# Altium PCB module_base.PcbDoc (part 1 of 4) (continued)
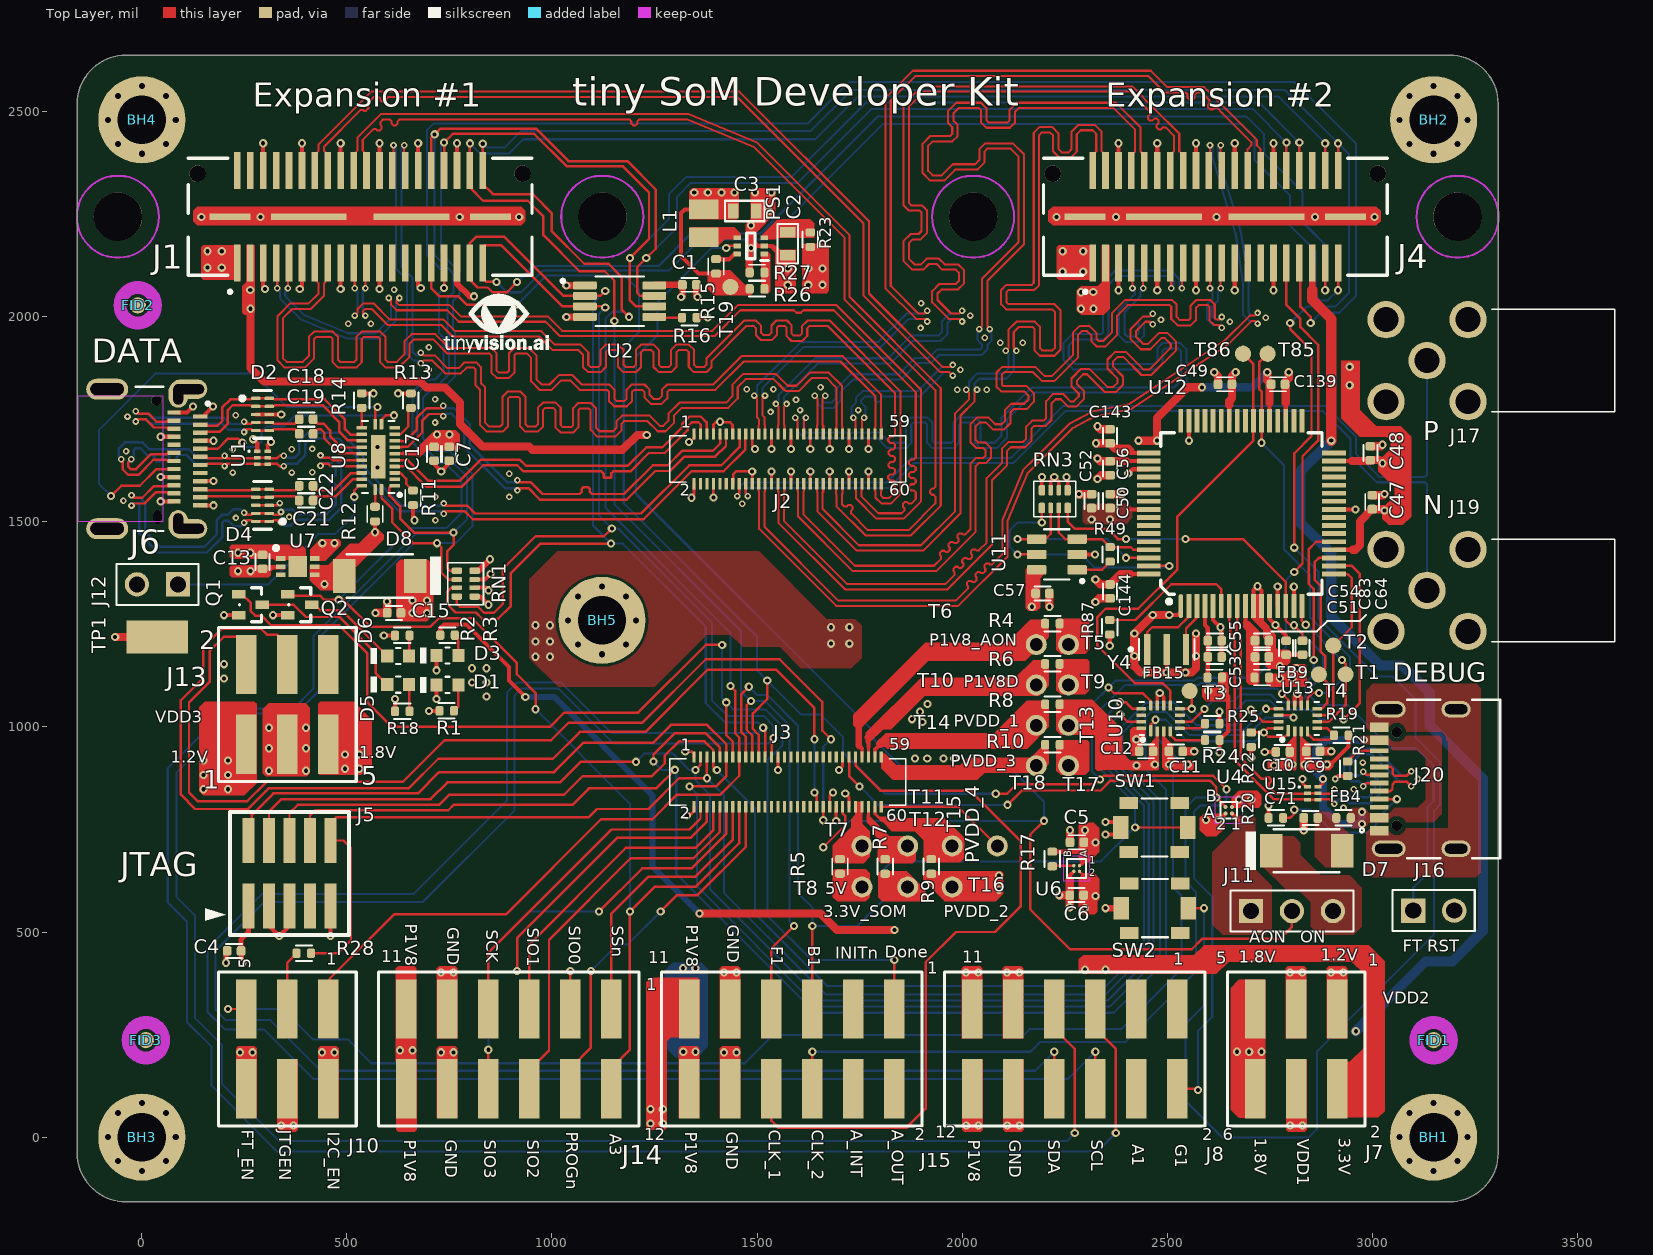
[diagram p0: Top Layer view]
## Components (designator, comment, footprint, x,y, rotation, side; value= is the part's Value field where it differs from the comment)
BH1 "STANDOFF M2.5" MH_3MM 3149.61,0 r0 top
BH2 "STANDOFF M2.5" MH_3MM 3149.61,2480.31 r0 top locked
BH3 "STANDOFF M2.5" MH_3MM 0,0 r0 top
BH4 "STANDOFF M2.5" MH_3MM 0,2480.31 r0 top locked
BH5 "STANDOFF M2.5" MH_3MM 1122.04,1259.84 r0 top locked
C1 "0.1uF" CAPC1005X55USR 1335,2078.11 r180 top
C2 "10uF" CAP_0603 1574.99,2178.1 r90 top
C3 "47uF" CAP_0603 1470,2258.11 r180 top
C4 "0.1uF" CAPC1005X55USR 225,454 r0 top
C5 "4.7uF" CAPC1005X55USR 2279.98,718.89 r0 top
C6 "4.7uF" CAPC1005X55USR 2279.33,589.84 r0 top
C7 "4.7uF" CAPC1005X55USR 749.39,1666.21 r90 top
C9 "0.1uF" CAPC1005X55USR 2855.81,940.63 r180 top
C10 "0.1uF" CAPC1005X55USR 2782,939.11 r0 top
C11 "0.1uF" CAPC1005X55USR 2520.81,940.63 r180 top
C12 "0.1uF" CAPC1005X55USR 2448.88,940.63 r0 top
C13 "1uF" CAPC1005X55USR 294.29,1402.73 r90 top
C15 "1uF" CAPC1005X55USR 615,1278.11 r0 top
C17 "0.1uF" CAPC1005X55USR 712.39,1666.21 r90 top
C18 "0.1uF" CAPC1005X55USR 400.6,1750.27 r180 top
C19 "0.1uF" CAPC1005X55USR 400.6,1714.73 r180 top
C21 "0.1uF" CAPC1005X55USR 400.6,1552.18 r180 top
C22 "0.1uF" CAPC1005X55USR 400.6,1587.72 r180 top
C47 "0.1uF" CAPC1005X55USR 2999.99,1548.12 r270 top
C48 "0.1uF" CAPC1005X55USR 2995.41,1667.57 r270 top
C49 "0.1uF" CAPC1005X55USR 2640.92,1835.63 r0 top
C50 "0.1uF" CAPC1005X55USR 2360.92,1550.63 r270 top
C51 "4.7uF" CAPC1005X55USR 2730.92,1170.63 r180 top
C52 "0.1uF" CAPC1005X55USR 2315.92,1550.63 r270 top
C53 "4.7uF" CAPC1005X55USR 2615.92,1170.63 r180 top
C54 "0.1uF" CAPC1005X55USR 2730.92,1210.63 r180 top
C55 "0.1uF" CAPC1005X55USR 2615.92,1210.63 r180 top
C56 "0.1uF" CAPC1005X55USR 2360.92,1630.63 r90 top
C57 "0.1uF" CAPC1005X55USR 2195.92,1325.63 r180 top
C64 "0.1uF" CAPC1005X55USR 2830,1193.11 r90 top
C71 "1uF" CAPC1005X55USR 2849.99,778.11 r0 top
C83 "0.1uF" CAPC1005X55USR 2790,1193.11 r90 top
C139 "0.1uF" CAPC1005X55USR 2770.3,1835.63 r180 top
C143 "0.1uF" CAPC1005X55USR 2360.92,1708.7 r270 top
C144 "4.7uF" CAPC1005X55USR 2360.92,1330.63 r90 top
D1 "LTST-C191KGKT" LED_0603 745.29,1102.73 r0 top
D2 "PUSB3F96X" DFN2510A-10 294.29,1762.03 r0 top
D3 "LTST-C191KGKT" LED_0603 745.29,1173.89 r0 top
D4 "PUSB3F96X" DFN2510A-10 294.29,1540.42 r180 top
D5 "LTST-C191KGKT" LED_0603 625,1103.11 r0 top
D6 "LTST-C191KGKT" LED_0603 625,1173.11 r0 top
D7 "CMS06(TE12L,Q,M)" SOD-128 2840,698.11 r0 top
D8 "CMS06(TE12L,Q,M)" SOD-128 580,1368.11 r180 top
FB4 "120Ohms" 0402_FB 2930,778.11 r180 top
FB9 "120Ohms" 0402_FB 2730.93,1120.63 r0 top
FB15 "120Ohms" 0402_FB 2615.93,1120.63 r0 top
FID1 "" FID_040 3149.6,236.22 r0 top
FID2 "" FID_040 -10,2028.11 r90 top
FID3 "" FID_040 10,236.22 r90 top
J1 "QSE-020-01-F-D-A-K" SAMTEC_QSE-020-01-XXX-D-A-L 532.08,2244.1 r0 top locked
J2 "DF40C-60DS-0.4V(51)" DF40C60DS04V51 1574.8,1653.54 r0 top locked
J3 "DF40C-60DS-0.4V(51)" DF40C60DS04V51 1574.8,866.14 r0 top locked
J4 "QSE-020-01-F-D-A-K" SAMTEC_QSE-020-01-XXX-D-A-L 2617.52,2244.1 r0 top locked
J5 "FTSH-105-01-L-DV-K-TR" FTSH-105-01-XXX-DV-K 360,643.11 r0 top
J6 "CX90B1-24P" HRS_CX90B1-24P -84.55,1653.54 r270 top
J7 "Header 3X2_SMD" HDR3X2_MALE_2.54MM_SAMTEC-A-TSM-103 2814.8,214.84 r180 top
J8 "Header 6X2_SMD" HDR6X2_MALE_2.54MM_SAMTEC-A-TSM-106 2274.8,214.84 r180 top
J10 "Header 3X2_SMD" HDR3X2_MALE_2.54MM_SAMTEC-A-TSM-103 354.8,214.84 r180 top
J11 "Header 3X1_2.54MM" HDR3X1_MALE_2.54MM 2804.33,551.18 r0 top
J12 "Header 2X1_2.54MM" HDR2X1_MALE_2.54MM 38.09,1347.73 r180 top
J13 "Header 3X2_SMD" HDR3X2_MALE_2.54MM_SAMTEC-A-TSM-103 354.8,1054.84 r0 top
J14 "Header 6X2_SMD" HDR6X2_MALE_2.54MM_SAMTEC-A-TSM-106 894.8,214.84 r180 top
J15 "Header 6X2_SMD" HDR6X2_MALE_2.54MM_SAMTEC-A-TSM-106 1584.8,214.84 r180 top
J16 "Header 2X1_2.54MM" HDR2X1_MALE_2.54MM 3150,552.23 r0 top
J17 "731000114" 0731000114 3133.66,1893.11 r180 top
J19 "731000114" 0731000114 3133.66,1333.11 r180 top
J20 "USB4105-GF-A" USB4105_GCT 3154.77,873.11 r90 top
L1 "1uH" INDC2016X100N 1369.99,2228.11 r90 top
Logo1 "WEEE" WEEE_Minimum 999.8,1044.84 r180 bottom
Logo2 "ESD Susceptible" ESD_Overlay_Medium 1228.79,1019.84 r180 bottom
PS1 "AP61100QZ6-7" SOTFL50P160X60-6N 1485,2173.11 r180 top
PVDD_4 "TP_S" TP_TH 2085.83,709.84 r90 top
Q1 "RU1J002YNTCL" SOT-323FL 265,1298.11 r0 top
Q2 "RU1J002YNTCL" SOT-323FL 385,1298.11 r0 top
R1 "1K" RESC1005X40USR 743.32,1039.22 r0 top
R2 "1K" RESC1005X40USR 635,1223.11 r0 top
R3 "1K" RESC1005X40USR 745.28,1223.89 r0 top
R4 "0.1" RESC1005X40USR 2220.22,1252.04 r0 top
R5 "0.1" RESC1005X40USR 1702.32,659.84 r90 top
R6 "0.1" RESC1005X40USR 2220.22,1153.63 r0 top
R7 "0.1" RESC1005X40USR 1812.28,659.84 r90 top
R8 "0.1" RESC1005X40USR 2220.22,1055.21 r0 top
R9 "0.1" RESC1005X40USR 1924.8,659.84 r90 top
R10 "0.1" RESC1005X40USR 2220.22,956.78 r0 top
R11 "10K" RESC1005X40USR 661.16,1558.44 r90 top
R12 "910K" RESC1005X40USR 568.55,1519.16 r270 top
R13 "10K" RESC1005X40USR 656.16,1795.77 r270 top
R14 "10K" RESC1005X40USR 536.27,1795.78 r90 top
R15 "0" RESC1005X40USR 1400,2123.11 r90 top
R16 "1K" RESC1005X40USR 1334.99,1998.11 r180 top
R17 "1K" RESC1005X40USR 2220,678.11 r270 top
R18 "1K" RESC1005X40USR 635,1038.11 r0 top
R19 "4.7K" RESC1005X40USR 2924.8,979.84 r0 top
R20 "4.7K" RESC1005X40USR 2765.01,778.11 r0 top
R21 "4.7K" RESC1005X40USR 2940,898.12 r90 top
R22 "10K" RESC1005X40USR 2705,969.11 r270 top
R23 "0.1" RESC1005X40USR 1629.99,2188.11 r270 top
R24 "4.7K" RESC1005X40USR 2610,968.11 r0 top
R25 "4.7K" RESC1005X40USR 2610,1008.11 r0 top
R26 "200K" RESC1005X40USR 1499.99,2068.11 r180 top
R27 "44.2K" RESC1005X40USR 1499.99,2108.1 r0 top
R28 "1K" RESC1005X40USR 395,448.11 r180 top
R49 "2K" RESC1005X40USR 2360.92,1420.64 r270 top
R87 "12.1K" RESC1005X40USR 2360,1243.13 r90 top
RN1 "10K" RESCAXS50P100X200X45-8NA 789.62,1349.46 r180 top
RN3 "10K" RESCAXS50P100X200X45-8NA 2225.92,1555.63 r90 top
SW1 "PTS820 J25K SMTR LFS" PTS820J25MSMTRLFS 2468.88,754.84 r180 top
SW2 "PTS820 J25K SMTR LFS" PTS820J25MSMTRLFS 2470.01,558.11 r180 top
T1 "TP_S" "TP 1mm" 2935,1128.11 r90 top
T2 "TP_S" "TP 1mm" 2905,1198.11 r90 top
T3 "TP_S" "TP 1mm" 2555,1088.11 r90 top
T4 "TP_S" "TP 1mm" 2870,1128.11 r90 top
T5 "TP_S" TP_TH 2259.59,1200.86 r0 top
T6 "TP_S" TP_TH 2180.85,1200.86 r0 top
T7 "TP_S" TP_TH 1755.9,709.84 r0 top
T8 "TP_S" TP_TH 1755.9,609.84 r0 top
T9 "TP_S" TP_TH 2259.59,1102.45 r0 top
T10 "TP_S" TP_TH 2180.85,1102.45 r90 top
T11 "TP_S" TP_TH 1867.32,709.84 r90 top
T12 "TP_S" TP_TH 1867.32,609.84 r90 top
T13 "TP_S" TP_TH 2259.59,1004.02 r90 top
T14 "TP_S" TP_TH 2180.85,1004.02 r90 top
T15 "TP_S" TP_TH 1975.83,709.84 r90 top
T16 "TP_S" TP_TH 1975.83,609.84 r90 top
T17 "TP_S" TP_TH 2259.59,905.6 r90 top
T18 "TP_S" TP_TH 2180.85,905.6 r90 top
T19 "3V3" "TP 1mm" 1434.99,2073.11 r270 top
T85 "TP_S" "TP 1mm" 2745,1910 r180 top
T86 "TP_S" "TP 1mm" 2685,1910 r180 top
TP1 "5019" TP380X203 38.09,1219.08 r0 top
U1 "ESDR0502NMUTAG" ONSC-UDFN-6-517AA-01_V 294.3,1656.5 r0 top
U2 "TCA9509DGKR" SOP65P490X110-8N 1165,2038.11 r0 top
U4 "TCK106AG,LF" WCSP4D 2650.22,796.96 r180 top
U6 "NCP110AFCT120T2G" WLCSP4_P6XP6_ONS 2279.33,654.84 r270 top
U7 "NCP349MNAETBG" SON50P200X160X100-7N-D 380.29,1390.73 r0 top
U8 "PI5USB30213XEAEX" QFN40P400X200X50-25N 576.43,1658.66 r180 top
U10 "SN74AXC4T245RSVR" QFN40P260X180X55-16N 2483.88,1020.63 r90 top
U11 "93AA56BT-I/OT" SOT23-6 2230.93,1420.63 r180 top
U12 "FT2232HL-REEL" QFP50P1200X1200X160-64N 2680.93,1520.63 r90 top
U13 "SN74AXC4T245RSVR" QFN40P260X180X55-16N 2818.88,1020.63 r90 top
U15 "ESDR0502NMUTAG" ONSC-UDFN-6-517AA-01_V 2855,838.11 r0 top
Y4 "CSTNE12M0G550000R0" OSC_CSTNE12M0G550000R0 2498.73,1189.04 r0 top

## Footprints (in the part's own frame and the unit in brackets; to place one, negate y for a bottom-side part, rotate by r counter-clockwise, add the part's x,y. Pads: shape width x height; smd on the part's side, far side on the other; paste and mask are expansions set on the pad)
0402_FB [mm] "Resistor, Chip; 1.00 mm L X 0.50 mm W X 0.40 mm H body"
  rrect52% 0.5x0.6 smd mask+0.051: 1(-0.45,0) 2(0.45,0)
  silkscreen extent -0.5,-0.48 0.5,0.48, body extent -0.5,-0.25 0.5,0.25, height 0.43
0731000114 [mm]
  round 2.31 hole 1.54: 1(0,0) 2(2.54,2.54) 3(-2.54,2.54) 4(-2.54,-2.54) 5(2.54,-2.54)
  silkscreen extent -11.63,-3.18 -4,3.17, body extent -11.63,-3.18 3.18,3.18, height 9.67
CAP_0603 [mil]
  rect 26x37 smd mask+1.97: 1(-28,0) 2(28,0)
  silkscreen extent -48,-25 48,25, body extent -34,-19 34,19, height 35
CAPC1005X55USR [mm] "Capacitor, Chip; 1.00 mm L X 0.50 mm W X 0.55 mm H body"
  rrect52% 0.54x0.6 smd mask+0.051: 1(-0.43,0) 2(0.43,0)
  silkscreen extent -0.51,-0.43 0.49,0.43, body extent -0.5,-0.25 0.5,0.25, height 0.55
DF40C60DS04V51 [mm]
  rect 0.2x0.7 smd mask+0.051: 1(-5.8,1.54) 2(-5.8,-1.54) 3(-5.4,1.54) 4(-5.4,-1.54) 5(-5,1.54) 6(-5,-1.54) 7(-4.6,1.54) 8(-4.6,-1.54) 9(-4.2,1.54) 10(-4.2,-1.54) 11(-3.8,1.54) 12(-3.8,-1.54) 13(-3.4,1.54) 14(-3.4,-1.54) 15(-3,1.54) 16(-3,-1.54) 17(-2.6,1.54) 18(-2.6,-1.54) 19(-2.2,1.54) 20(-2.2,-1.54) 21(-1.8,1.54) 22(-1.8,-1.54) 23(-1.4,1.54) 24(-1.4,-1.54) 25(-1,1.54) 26(-1,-1.54) 27(-0.6,1.54) 28(-0.6,-1.54) 29(-0.2,1.54) 30(-0.2,-1.54) 31(0.2,1.54) 32(0.2,-1.54) 33(0.6,1.54) 34(0.6,-1.54) 35(1,1.54) 36(1,-1.54) 37(1.4,1.54) 38(1.4,-1.54) 39(1.8,1.54) 40(1.8,-1.54) 41(2.2,1.54) 42(2.2,-1.54) 43(2.6,1.54) 44(2.6,-1.54) 45(3,1.54) 46(3,-1.54) 47(3.4,1.54) 48(3.4,-1.54) 49(3.8,1.54) 50(3.8,-1.54) 51(4.2,1.54) 52(4.2,-1.54) 53(4.6,1.54) 54(4.6,-1.54) 55(5,1.54) 56(5,-1.54) 57(5.4,1.54) 58(5.4,-1.54) 59(5.8,1.54) 60(5.8,-1.54)
  silkscreen extent -7.3,-1.44 7.3,1.44, body extent -7.3,-1.69 7.3,1.69, height 1.96
DFN2510A-10 [mm]
  rrect50% 0.565x0.2 smd mask+0.05: 1(-0.417,1) 2(-0.417,0.5) 4(-0.417,-0.5) 5(-0.417,-1) 6(0.417,-1) 7(0.417,-0.5) 9(0.417,0.5) 10(0.417,1)
  rrect25% 0.565x0.2 smd mask+0.05: 3(-0.417,0) 8(0.417,0)
  silkscreen extent -1.37,-1.48 0.55,1.48, body extent -0.5,-1.25 0.5,1.25, height 0.55
ESD_Overlay_Medium [mil]
  silkscreen extent -127,-109 125,110
FID_040 [mm]
  round 1 smd paste-1.5 mask+1: 1(0,0)
  Top Layer keep-out circle w0.8: c0,0 r1.1
FTSH-105-01-XXX-DV-K [mil]
  rect 29x110 smd mask+2: 1(-100,-80) 2(-100,80) 3(-50,-80) 4(-50,80) 5(0,-80) 6(0,80) 7(50,-80) 8(50,80) 9(100,-80) 10(100,80)
  silkscreen extent -205,-150 145,150, body extent -125,-115 125,115, height 241
HDR2X1_MALE_2.54MM [mm]
  rect 1.508x1.508 hole 1: 1(-1.27,0)
  round 1.508 hole 1: 2(1.27,0)
  silkscreen extent -2.54,-1.27 2.54,1.27, body extent -2.54,-1.37 2.54,1.17, height 8.38
HDR3X1_MALE_2.54MM [mm]
  rect 1.508x1.508 hole 1: 1(-2.54,0)
  round 1.508 hole 1: 2(0,0) 3(2.54,0)
  silkscreen extent -3.81,-1.27 3.81,1.27, body extent -3.81,-1.27 3.81,1.27, height 7.62
HDR3X2_MALE_2.54MM_SAMTEC-A-TSM-103 [mil]
  rect 50x144.88 smd: 1(-100,-97.48) 2(-100,97.48) 3(0,-97.48) 4(0,97.48) 5(100,-97.48) 6(100,97.48)
  silkscreen extent -168,-188 168,188, body extent -150,-152 150,152, height 390
HDR6X2_MALE_2.54MM_SAMTEC-A-TSM-106 [mil]
  rect 50x144.88 smd: 1(-250,-97.48) 2(-250,97.48) 3(-150,-97.48) 4(-150,97.48) 5(-50,-97.48) 6(-50,97.48) 7(50,-97.48) 8(50,97.48) 9(150,-97.48) 10(150,97.48) 11(250,-97.48) 12(250,97.48)
  silkscreen extent -318,-188 318,188, body extent -300,-152 300,152, height 382
HRS_CX90B1-24P [mm]
  rect 0.27x0.9 smd mask+0.05: A1(-2.625,5.75) A2(-2.125,5.75) A3(-1.625,5.75) A4(-1.125,5.75) A5(-0.625,5.75) A6(-0.125,5.75) A7(0.375,5.75) A8(0.875,5.75) A9(1.375,5.75) A10(1.875,5.75) A11(2.375,5.75) A12(2.875,5.75)
  rect 0.27x0.8 smd mask+0.05: B1(2.625,4.15) B2(2.125,4.15) B3(1.625,4.15) B4(1.125,4.15) B5(0.625,4.15) B6(0.125,4.15) B7(-0.375,4.15) B8(-0.875,4.15) B9(-1.375,4.15) B10(-1.875,4.15) B11(-2.375,4.15) B12(-2.875,4.15)
  oval 1.2x2.3 hole 0.6 slot 1.9 at 90 deg mask+0: Shell(-4.32,5.05) Shell(4.32,5.05)
  oval 1.3x2.6 hole 0.75 slot 2.075 at 90 deg: Shell(-4.32,0) Shell(4.32,0)
  oval 1.65x1.2 hole 0.6 slot 1.25 at 0 deg mask+0: Shell(-3.995,4.4) Shell(3.995,4.4)
  round 0.63 hole 0.63 unplated: ""(-3.6,3.05)
  oval 0.85x0.5 hole 0.5 slot 0.85 at 0 deg unplated: ""(3.6,3.115)
  Top Layer keep-out region: 3.9,-1.8 -3.9,-1.8 -3.9,3.45 3.9,3.45
  silkscreen extent -4.47,1.75 4.47,6.33, body extent -4.47,-2.3 4.47,5.85, height 3.14
INDC2016X100N [mm]
  rect 1.2x1.82 smd: 1(-0.86,0) 2(0.86,0)
  body extent -1,-0.8 1,0.8, height 1
LED_0603 [mm]
  rect 0.75x0.8 smd: 1(0.675,0) 2(-0.675,0)
  silkscreen extent -1.7,-0.5 0.13,0.5, body extent -0.81,-0.4 0.81,0.4, height 0.63
MH_3MM [mm]
  round 5.4 hole 3: 1(0,0)
ONSC-UDFN-6-517AA-01_V [mm]
  rect 0.42x0.22 smd mask+0.051: 1(-0.325,0.4) 2(-0.325,0) 3(-0.325,-0.4) 4(0.325,-0.4) 5(0.325,0) 6(0.325,0.4)
  silkscreen extent -0.88,0.35 -0.78,0.45, body extent -0.5,-0.6 0.5,0.6, height 0.55
OSC_CSTNE12M0G550000R0 [mm]
  rect 0.4x1.9 smd: 1(-1.2,0) 2(0,0) 3(1.2,0)
  silkscreen extent -2.32,-0.65 1.72,0.65, body extent -1.6,-0.65 1.6,0.65, height 0.8
PTS820J25MSMTRLFS [mm]
  rect 0.95x1.4 smd: 1(-2.075,0) 2(2.075,0)
  rect 1.15x0.75 smd: G1(-1.575,-1.525) G2(1.575,-1.525) G3(1.575,1.525) G4(-1.575,1.525)
  silkscreen extent -0.8,-1.8 0.8,1.8, body extent -2.25,-1.45 2.25,1.45, height 2.05
QFN40P260X180X55-16N [mm]
  rrect25% 0.7x0.2 smd mask+0.051: 1(-0.75,0.6)
  rrect25% 0.6x0.2 smd mask+0.051: 2(-0.8,0.2) 3(-0.8,-0.2) 4(-0.8,-0.6) 9(0.8,-0.6) 10(0.8,-0.2) 11(0.8,0.2) 12(0.8,0.6)
  rrect25% 0.2x0.6 smd mask+0.051: 5(-0.6,-1.2) 6(-0.2,-1.2) 7(0.2,-1.2) 8(0.6,-1.2) 13(0.6,1.2) 14(0.2,1.2) 15(-0.2,1.2) 16(-0.6,1.2)
  silkscreen extent -1.42,-1.3 1.03,1.3, body extent -0.9,-1.3 0.9,1.3, height 0.55
QFN40P400X200X50-25N [mm]
  rrect25% 0.66x0.22 smd mask+0.051: 1(-1.02,1.8) 2(-1.02,1.4) 3(-1.02,1) 4(-1.02,0.6) 5(-1.02,0.2) 6(-1.02,-0.2) 7(-1.02,-0.6) 8(-1.02,-1) 9(-1.02,-1.4) 10(-1.02,-1.8) 13(1.02,-1.8) 14(1.02,-1.4) 15(1.02,-1) 16(1.02,-0.6) 17(1.02,-0.2) 18(1.02,0.2) 19(1.02,0.6) 20(1.02,1) 21(1.02,1.4) 22(1.02,1.8)
  rrect25% 0.22x0.66 smd mask+0.051: 11(-0.2,-2.02) 12(0.2,-2.02) 23(0.2,2.02) 24(-0.2,2.02)
  rect 0.9x2.7 smd paste-2 mask+0.051: 25(0,0)
  silkscreen extent -1.43,-2.23 1,2.46, body extent -1,-2 1,2, height 0.5
QFP50P1200X1200X160-64N [mm]
  oval 1.475x0.3 smd: 1(-5.738,3.75)
  rect 1.475x0.3 smd: 2(-5.738,3.25) 3(-5.738,2.75) 4(-5.738,2.25) 5(-5.738,1.75) 6(-5.738,1.25) 7(-5.738,0.75) 8(-5.738,0.25) 9(-5.738,-0.25) 10(-5.738,-0.75) 11(-5.738,-1.25) 12(-5.738,-1.75) 13(-5.738,-2.25) 14(-5.738,-2.75) 15(-5.738,-3.25) 16(-5.738,-3.75) 33(5.738,-3.75) 34(5.738,-3.25) 35(5.738,-2.75) 36(5.738,-2.25) 37(5.738,-1.75) 38(5.738,-1.25) 39(5.738,-0.75) 40(5.738,-0.25) 41(5.738,0.25) 42(5.738,0.75) 43(5.738,1.25) 44(5.738,1.75) 45(5.738,2.25) 46(5.738,2.75) 47(5.738,3.25) 48(5.738,3.75)
  rect 0.3x1.475 smd: 17(-3.75,-5.738) 18(-3.25,-5.738) 19(-2.75,-5.738) 20(-2.25,-5.738) 21(-1.75,-5.738) 22(-1.25,-5.738) 23(-0.75,-5.738) 24(-0.25,-5.738) 25(0.25,-5.738) 26(0.75,-5.738) 27(1.25,-5.738) 28(1.75,-5.738) 29(2.25,-5.738) 30(2.75,-5.738) 31(3.25,-5.738) 32(3.75,-5.738) 49(3.75,5.738) 50(3.25,5.738) 51(2.75,5.738) 52(2.25,5.738) 53(1.75,5.738) 54(1.25,5.738) 55(0.75,5.738) 56(0.25,5.738) 57(-0.25,5.738) 58(-0.75,5.738) 59(-1.25,5.738) 60(-1.75,5.738) 61(-2.25,5.738) 62(-2.75,5.738) 63(-3.25,5.738) 64(-3.75,5.738)
  silkscreen extent -5.59,-5 5,5, body extent -6,-6 6,6, height 1.6
RESC1005X40USR [mm] "Resistor, Chip; 1.00 mm L X 0.50 mm W X 0.40 mm H body"
  rrect52% 0.5x0.6 smd mask+0.051: 1(-0.45,0) 2(0.45,0)
  silkscreen extent -0.5,-0.48 0.5,0.48, body extent -0.5,-0.25 0.5,0.25, height 0.4
RESCAXS50P100X200X45-8NA [mm] "2 Side, Convex"
  rrect50% 0.65x0.4 smd mask+0.051: 1(-0.55,0.8) 4(-0.55,-0.8) 5(0.55,-0.8) 8(0.55,0.8)
  rrect50% 0.65x0.3 smd mask+0.051: 2(-0.55,0.25) 3(-0.55,-0.25) 6(0.55,-0.25) 7(0.55,0.25)
  silkscreen extent -1.1,-1.3 1.1,1.3, body extent -0.65,-1.15 0.65,1.15, height 0.45
SAMTEC_QSE-020-01-XXX-D-A-L [mm]
  rect 0.41x2.27 smd: 01(-7.6,-2.865) 02(-7.6,2.865) 03(-6.8,-2.865) 04(-6.8,2.865) 05(-6,-2.865) 06(-6,2.865) 07(-5.2,-2.865) 08(-5.2,2.865) 09(-4.4,-2.865) 10(-4.4,2.865) 11(-3.6,-2.865) 12(-3.6,2.865) 13(-2.8,-2.865) 14(-2.8,2.865) 15(-2,-2.865) 16(-2,2.865) 17(-1.2,-2.865) 18(-1.2,2.865) 19(-0.4,-2.865) 20(-0.4,2.865) 21(0.4,-2.865) 22(0.4,2.865) 23(1.2,-2.865) 24(1.2,2.865) 25(2,-2.865) 26(2,2.865) 27(2.8,-2.865) 28(2.8,2.865) 29(3.6,-2.865) 30(3.6,2.865) 31(4.4,-2.865) 32(4.4,2.865) 33(5.2,-2.865) 34(5.2,2.865) 35(6,-2.865) 36(6,2.865) 37(6.8,-2.865) 38(6.8,2.865) 39(7.6,-2.865) 40(7.6,2.865)
  rect 2.54x0.43 smd: G1(-8.065,0) G4(8.065,0)
  rect 4.7x0.43 smd: G2(-3.175,0) G3(3.175,0)
  round 3 hole 3 unplated mask+0.05: ""(-15,0) ""(15,0)
  round 1.02 hole 1.02 unplated: ""(-10.065,2.665) ""(10.065,2.665)
  Keep-Out Layer circle w0.127: c-15,0 r2.54
  Keep-Out Layer circle w0.127: c15,0 r2.54
  silkscreen extent -10.64,-4.75 10.64,3.62, body extent -10.64,-4.12 10.64,4.13, height 3.43
SOD-128 [mm]
  rect 1.4x2.1 smd paste+0 mask+0: A(2.2,0) C(-2.2,0)
  silkscreen extent -3.79,-1.33 2.03,1.33, body extent -2.45,-1.21 2.45,1.21, height 1.1
SON50P200X160X100-7N-D [mm]
  rect 0.6x0.3 smd mask+0.051: 1(-1.05,0.5) 2(-1.05,0) 3(-1.05,-0.5) 4(1.05,-0.5) 5(1.05,0) 6(1.05,0.5)
  rect 1.15x1.3 smd mask+0.051: 7(0,0)
  silkscreen extent -1.47,1.03 -1.22,1.27, body extent -1.05,-0.8 1.05,0.8, height 1
SOP65P490X110-8N [mm]
  rrect25% 1.47x0.48 smd mask+0.051: 1(-2.15,0.975) 2(-2.15,0.325) 3(-2.15,-0.325) 4(-2.15,-0.975) 5(2.15,-0.975) 6(2.15,-0.325) 7(2.15,0.325) 8(2.15,0.975)
  silkscreen extent -3.62,-1.54 1.5,1.54, body extent -2.45,-1.5 2.45,1.5, height 1.1
SOT23-6 [mm]
  rrect25% 1.21x0.58 smd: 1(-1.255,0.95) 2(-1.255,0) 3(-1.255,-0.95) 4(1.255,-0.95) 5(1.255,0) 6(1.255,0.95)
  silkscreen extent -1.67,-1.56 0.8,1.75, body extent -1.4,-1.45 1.4,1.45, height 1.45
SOT-323FL [mm]
  rect 0.83x0.52 smd paste+0 mask+0.05: 1(-0.735,0.65) 2(-0.735,-0.65) 3(0.735,0)
  silkscreen extent -0.67,-1.05 0.67,1.05, body extent -1.05,-1 1.05,1, height 1.06
SOTFL50P160X60-6N [mm]
  rect 0.475x0.3 smd: 1(-0.838,0.5) 2(-0.838,0) 3(-0.838,-0.5) 4(0.838,-0.5) 5(0.838,0) 6(0.838,0.5)
  silkscreen extent -1.07,-0.8 0.25,0.9, body extent -0.8,-0.8 0.8,0.8, height 0.6
TP380X203 [mil]
  rect 150x80 smd: 1(0,0)
  body extent -75,-40 75,40, height 90
"TP 1mm" [mm] "1 mm Probe Pad"
  round 1 smd: 1(0,0)
TP_TH [mm] "1 mm Probe Pad"
  round 1.3 hole 0.8: 1(0,0)
USB4105_GCT [mil]
  oval 39.37x82.68 hole 23.62 slot 66.93 at 90 deg mask+2: 1(-170.08,114.6) 2(170.08,114.6)
  oval 39.37x70.87 hole 23.62 slot 55.12 at 90 deg mask+2: 3(-170.08,-49.97) 4(170.08,-49.97)
  round 26 hole 26 unplated mask+2: 17(-113.78,94.91) 18(113.78,94.91)
  rect 23x45 smd mask+2: A1-B12(-125.98,137.24) A4-B9(-94.49,137.24) B1-A12(125.98,137.24) B4-A9(94.49,137.24)
  rect 12x45 smd paste+0 mask+0: A5(-49.21,137.24) A6(-9.84,137.24) A7(9.84,137.24) A8(49.21,137.24) B5(68.9,137.24) B6(29.53,137.24) B7(-29.53,137.24) B8(-68.9,137.24)
  Multi-Layer lines w24: -170.08,136.1 -170.08,114.6 -170.08,93.1 ; 170.08,136.1 170.08,114.6 170.08,93.1 ; -170.08,-34.47 -170.08,-49.97 -170.08,-65.47 ; 170.08,-34.47 170.08,-49.97 170.08,-65.47
  silkscreen extent -194,-157 194,185, body extent -189,-152 189,152, height 130
WCSP4D [mil]
  round 10 smd paste+0 mask+0: A1(-7.87,7.87) A2(7.87,7.87) B1(-7.87,-7.87) B2(7.87,-7.87)
  Keep-Out Layer region: -33.25,-33.25 -33.25,33.25 33.25,33.25 33.25,-33.25
  silkscreen extent -20,-20 20,20, body extent -16,-16 16,16, height 22
WEEE_Minimum [mil]
  silkscreen extent -95,-172 99,104
WLCSP4_P6XP6_ONS [mil]
  round 8 smd paste+0 mask+0: A1(-6.89,6.89) A2(6.89,6.89) B1(-6.89,-6.89) B2(6.89,-6.89)
  Keep-Out Layer region: -31.28,-31.28 -31.28,31.28 31.28,31.28 31.28,-31.28
  silkscreen extent -23,-23 23,23, body extent -13,-13 13,13, height 13

## Part data
BH1 BH2 BH3 BH4 BH5: library part MOUNT_HOLE, "ROUND STANDOFF M2X0.4 STEEL 1MM"
C1 C4 C9 C10 C11 C12 C17 C18 C19 C21 C22 C47 C48 C49 C50 C52 C54 C55 C56 C57 C64 C83 C139 C143: library part "CAP CER 0.1UF 16V X7R 0402", "CAP CER 0.1UF 16V X7R 0402", Manufacturer="TDK Corporation", Manufacturer Part Number=CGA2B1X7R1C104K050BC, Package=0402, Supplier Part Number 1=445-5613-2-ND, Height=0.55mm, Supplier 1=Digi-Key
C2: library part Cap_1uF_X5R_10%_6V3_0402, "CAP CER 10uF 10V X5R 0603", Manufacturer="Murata Electronics", Manufacturer Part Number=GRM188R61A106ME69D, Package=0603, Supplier Part Number 1=490-10475-1-ND, Voltage=10V, ComponentLink1Description="New link", Height=0.95mm, Supplier 1=Digi-Key
C3: library part Cap_1uF_X5R_10%_6V3_0402, "CAP CER 47UF 6.3V X5R 0603", Manufacturer="Murata Electronics", Manufacturer Part Number=GRM188R60J476ME15D, Package=0603, Supplier Part Number 1=490-13247-1-ND, Voltage=6.3V, ComponentLink1Description="New link", Height=1.0mm, Supplier 1=Digi-Key
C5 C6 C7 C51 C53 C144: library part "CAP CER 4.7UF 10V X5R 0402", "CAP CER 4.7UF 10V X5R 0402", Manufacturer="TDK Corporation", Manufacturer Part Number=C1005X5R1A475M050BC, Package=0402, Supplier Part Number 1=445-8023-1-ND, ComponentLink1Description="New link", Height=0.55mm, Supplier 1=Digi-Key
C13 C15 C71: library part "CAP CER 1UF 25V X5R 0402", "CAP CER 1UF 25V X5R 0402", Manufacturer="Murata Electronics", Manufacturer Part Number=GRM155R61E105MA12D, Package=0402, Supplier Part Number 1=490-10018-1-ND, ComponentLink1Description="New link", Height=0.55mm, Part #=E-CAP-042, Supplier 1=Digi-Key
D1 D3 D5 D6: library part 0603LED_GRN, "LED GREEN CLEAR CHIP 0603 SMD", Manufacturer="Lite-On Inc.", Manufacturer Part Number=LTST-C191GKT, Supplier Part Number 1=160-1443-1-ND, Supplier 1=Digi-Key, Unit Cost, Qty 1=$0.68, Unit Cost, Qty 500=$0.293
D2 D4: "TVS DIODE 5.5VWM 4.6VC DFN2510A", Manufacturer="Nexperia USA Inc.", Supplier Part Number 1=1727-2030-1-ND, Interface=USB, Manufacturer Part Number=PUSB3F96X, Supplier 1=Digi-Key
D7 D8: library part D_CMS06(TE12L,Q,M), "Rectifier Diode Schottky 30V 2A 2-Pin M-FLAT T/R", Average Rectified Current=2A, Forward Voltage=370mV, Manufacturer=Toshiba, Max Operating Temperature=125°C, Max Repetitive Reverse Voltage (Vrrm)=30V, Max Reverse Current=3mA, Max Surge Current=40A, Min Operating Temperature=-40°C, Package Quantity=1, Supplier Part Number 1=CMS06QMCT-ND, Category="Rectifier Diodes", ComponentLink1Description=https://datasheet.ciiva.com/916/dst-cms06-tde-en-1613-916722.pdf?src-supplier=Digi-Key, ComponentLink1URL=https://datasheet.ciiva.com/916/dst-cms06-tde-en-1613-916722.pdf?src-supplier=Digi-Key, ComponentLink2Description=https://datasheet.ciiva.com/916/dst-cms06-tde-en-1613-916723.pdf?src-supplier=Digi-Key, ComponentLink2URL=https://datasheet.ciiva.com/916/dst-cms06-tde-en-1613-916723.pdf?src-supplier=Digi-Key, ComponentLink3Description=https://datasheet.ciiva.com/8281/cms06-datasheet-en-20131101-8281819.pdf?src-supplier=Avnet, ComponentLink3URL=https://datasheet.ciiva.com/8281/cms06-datasheet-en-20131101-8281819.pdf?src-supplier=Avnet, Contact Plating=Tin,Silver, Element Configuration=Single, Forward Current=2A, Manufacturer Part Number=CMS06(TE12L,Q,M), Max Reverse Leakage Current=3mA, Max Reverse Voltage (DC)=30V, Mount="Surface Mount", Number of Pins=2, Packaging="Tape and Reel", Peak Non-Repetitive Surge Current=40A, Pricing 1="1=0.56000, 10=0.48200, 100=0.35950, 500=0.28248, 1000=0.21828 (USD)", Radiation Hardening=No, RoHS=No, RoHS Compliant=No, Series=-, Stock 1=49976, Supplier 1=Digi-Key
FB4 FB9 FB15: library part "FERRITE BEAD 120 OHM 0402 1LN", "FERRITE BEAD 120 OHM 0402 1LN", Manufacturer="Murata Electronics", Manufacturer Part Number=BLM15AG121SN1D, Package=0402, Supplier Part Number 1=490-1005-2-ND, ComponentLink1Description="New link", Height=0.55mm, Supplier 1=Digi-Key